# Altium PCB Lancelot.PcbDoc (part 9 of 14)
Units mil, origin at the board's own origin, x right, y up, seen from the top; angles counter-clockwise.
Board outline 4837.61 x 3252.61 mil, 6 copper layers (Top Layer, Mid-Layer 1, Mid-Layer 2, Mid-Layer 3, Mid-Layer 4, Bottom Layer); 372 components, 275 nets, 2062 pads, 1350 vias.
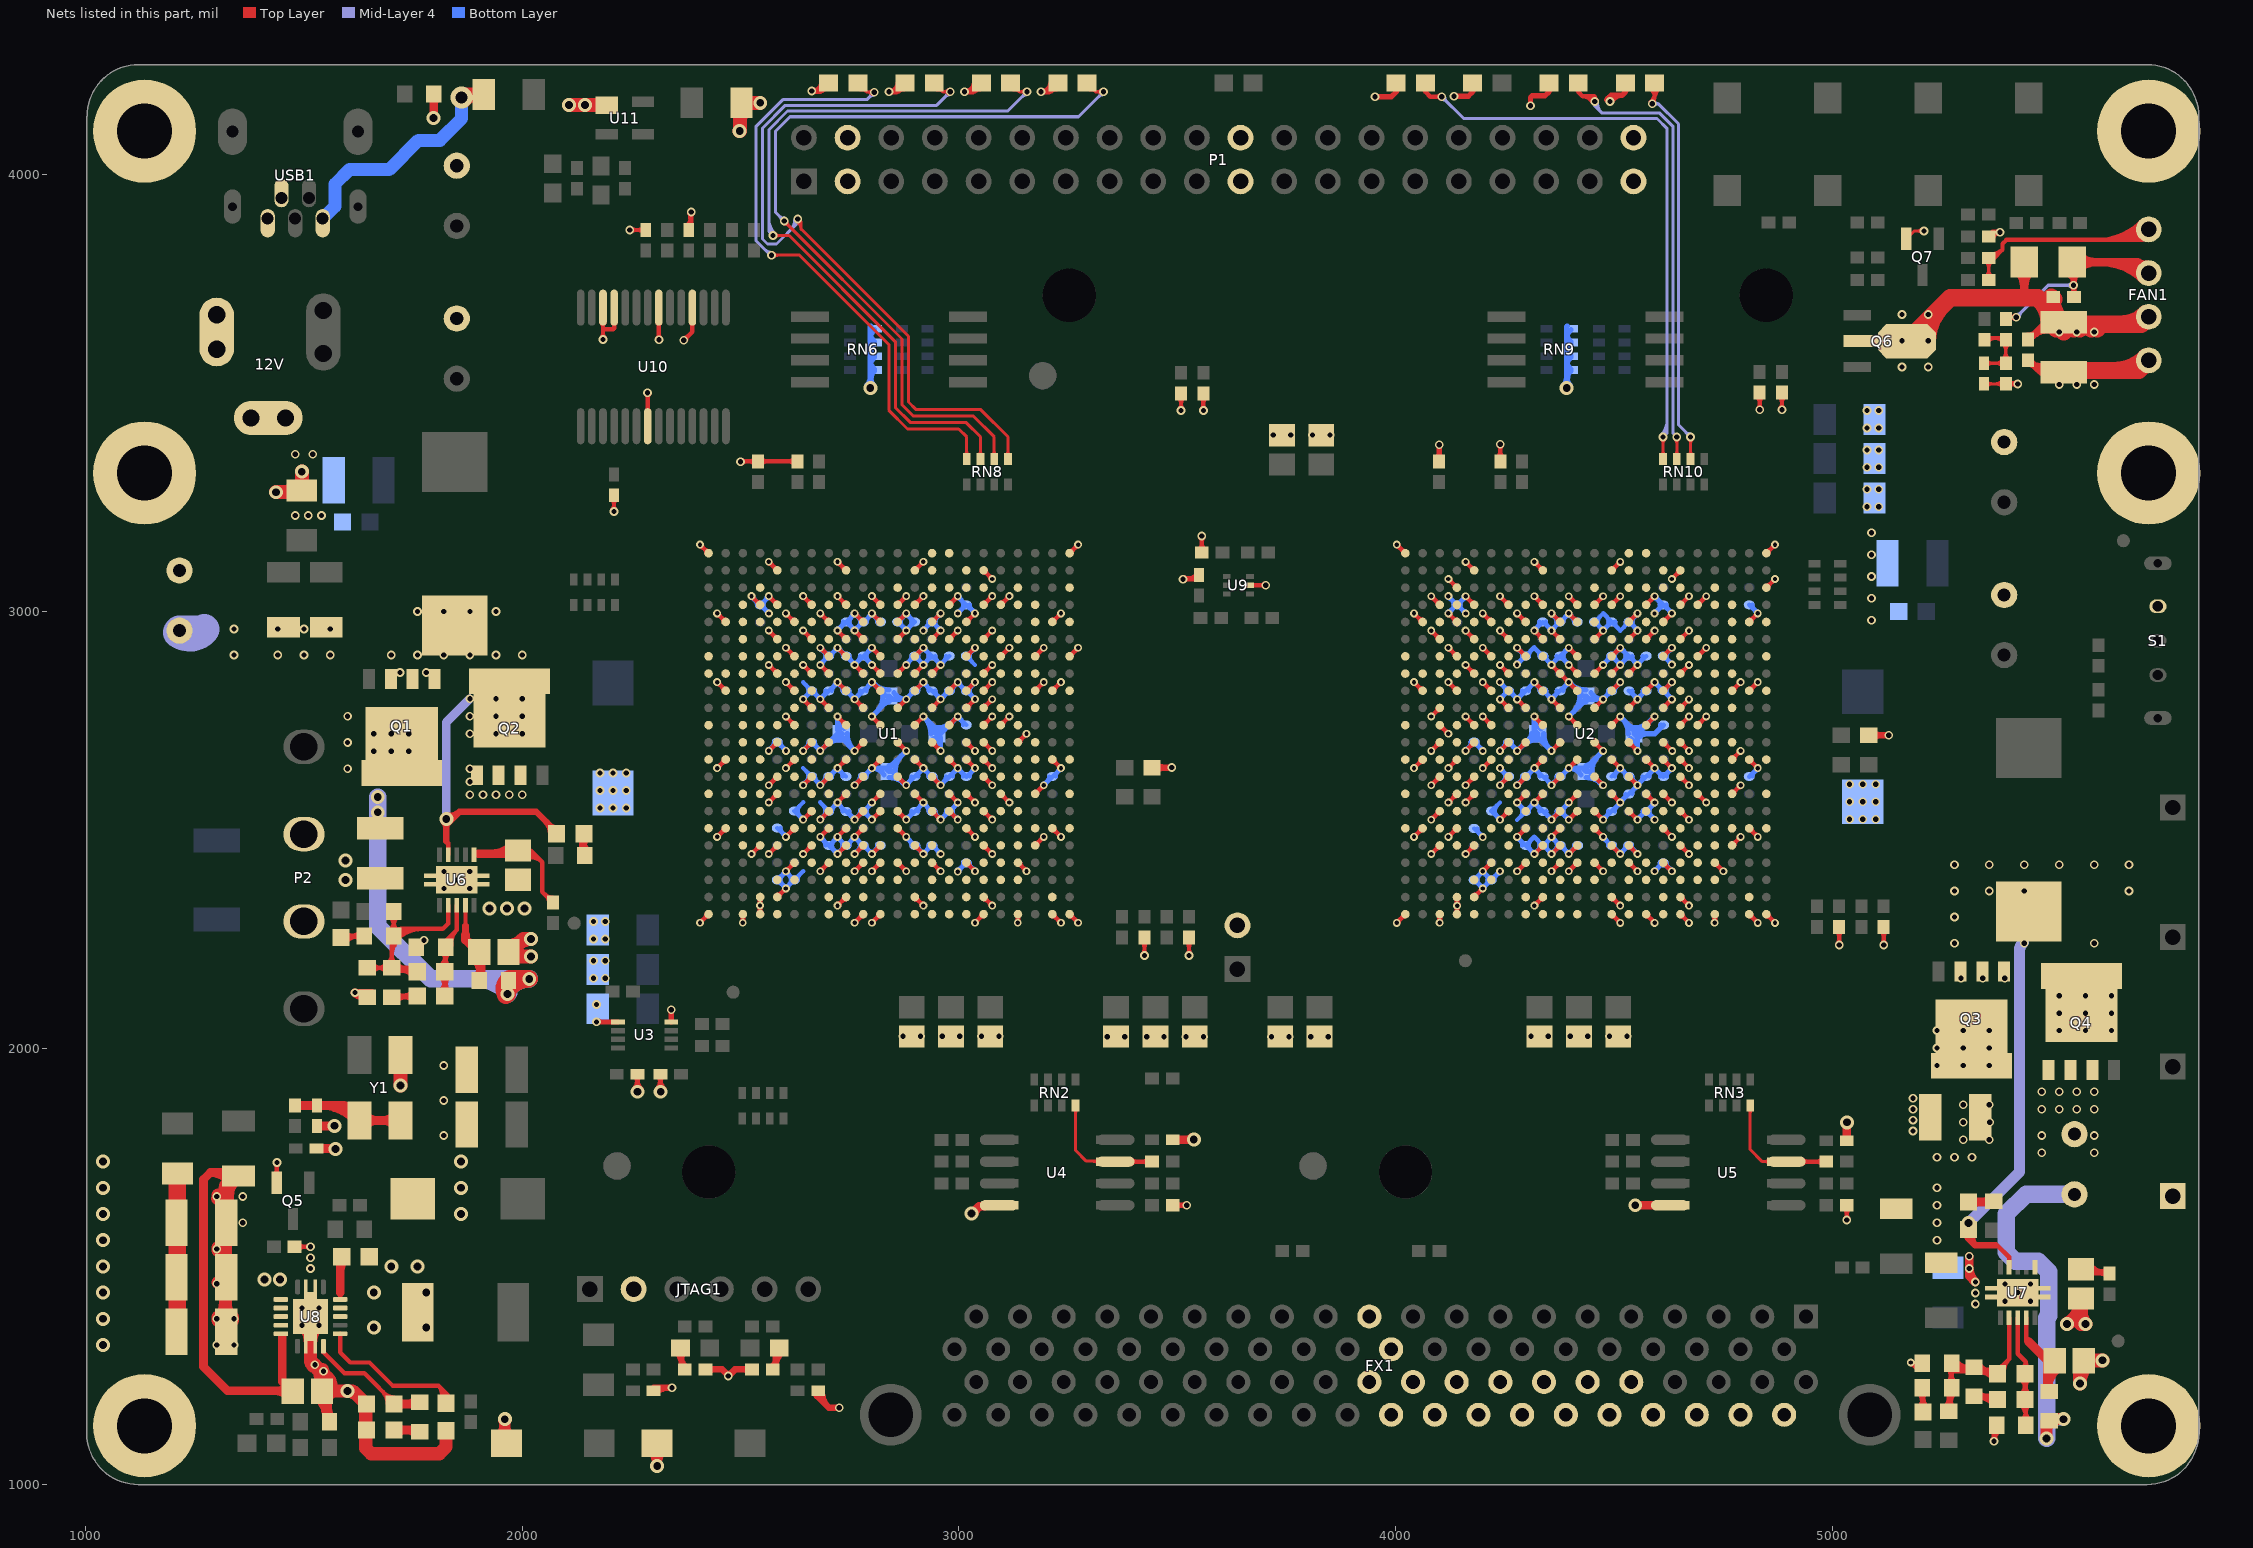
[diagram p13: the nets of this part, all layers, seen from the top]

## Via types
v1: diameter 18, hole 10, Top Layer to Bottom Layer, tented both sides, 625 vias
v2: diameter 20, hole 12, Top Layer to Bottom Layer, tented both sides, 515 vias
v3: diameter 32, hole 18, Top Layer to Bottom Layer, tented both sides, 191 vias
v4: diameter 23.62, hole 11.81, Top Layer to Bottom Layer, tented bottom, 10 vias
v5: diameter 19.68, hole 11.81, Top Layer to Bottom Layer, tented bottom, 4 vias
v6: diameter 118.11, hole 118.11, Top Layer to Bottom Layer, tented bottom, 2 vias
v7: diameter 78.74, hole 78.74, Top Layer to Bottom Layer, tented bottom, 2 vias
v8: diameter 50, hole 28, Top Layer to Bottom Layer, tented both sides, 1 vias

## Nets (pads, with @x,y where several pads share a name; then routed paths per layer and width w, separated by ;. In a path a pad name is that pad's centre, name@x,y a point inside that pad or via, vN(x,y) a via of type N, cw(c..) or ccw(c..) an arc to the next point about the centre after c; other vN are vias at no path point) (continued)
GND: (continued)
  Bottom Layer w10: 4546.81,2805.69 ccw(c4554.1,2812.99) 4554.1,2802.67 ccw(c4554.1,2812.33) 4560.93,2805.5 ccw(c4567.76,2798.67) v1@4558.1,2798.67 ; 4547.03,2609.24 cw(c4539.61,2601.82) 4550.1,2601.82 cw(c4540.45,2601.82) 4547.27,2594.99 cw(c4554.1,2588.16) v1@4554.1,2597.82 ; 4547.47,2805.03 cw(c4541.11,2798.67) v1@4550.1,2798.67 ; 4547.8,2963.2 cw(c4560.61,2976) 4542.5,2976 cw(c4561.61,2976) v1@4548.1,2989.52 ; 4547.87,2608.4 ccw(c4554.1,2614.64) 4554.1,2605.82 ccw(c4554.1,2615.47) 4560.93,2608.65 ccw(c4567.76,2601.82) v1@4558.1,2601.82 ; v1@4550.1,2444.34 ccw(c4540.45,2444.34) 4547.27,2451.17 ccw(c4554.1,2457.99) v1@4554.1,2448.34 ; v1@4550.1,2877.41 ccw(c4540.45,2877.41) 4547.27,2884.24 ccw(c4554.1,2891.07) 4554.1,2881.41 ccw(c4554.1,2891.07) 4560.93,2884.24 ccw(c4567.76,2877.41) v1@4558.1,2877.41 ; v1@4550.1,2995.52 cw(c4540.45,2995.52) 4547.27,2988.69 cw(c4554.1,2981.86) v1@4554.1,2991.52 ; v1@4553.07,2526.94 ccw(c4548.05,2545.66) C153.1@4564.84,2535.97 ; v1@4553.07,2605.68 ccw(c4548.34,2623.33) 4564.16,2614.19 ; v1@4553.07,2802.53 ccw(c4548.14,2820.91) C156.1@4564.62,2811.4 ; v1@4553.07,2881.27 ccw(c4548.43,2898.57) 4563.94,2889.62 ; v1(4554.1,2523.08) C153.1@4573.79,2542.76 ; v1@4554.1,2527.08 ccw(c4554.1,2536.73) 4560.93,2529.91 ccw(c4567.76,2523.08) v1@4558.1,2523.08 ; v1(4554.1,2798.67) C156.1@4573.88,2818.44 ; 4560.71,2884.01 ccw(c4546.72,2898) C145.1@4566.5,2898 ; 4561,2608.71 ccw(c4547.7,2622) C147.1@4566.5,2622 ; 4561.6,2806.16 ccw(c4549.76,2818) C156.1@4566.5,2818 ; 4561.89,2530.86 ccw(c4550.75,2542) C153.1@4566.5,2542 ; C153.1@4573.7,2542.85 C153.1@4573.79,2542.76 ; C153.1@4573.88,2542.85 C153.1@4573.79,2542.76 ; C145.1@4573.88,2897.18 v1(4554.1,2877.41) C144.1@4534.42,2897.1 ; C153.1@4574,2542 C153.1@4574.28,2542.28 ; C147.1@4581.5,2622 cw(c4598.92,2622) 4586.6,2634.32 ; C153.1@4583.29,2535.55 ccw(c4599.29,2544.79) v1@4594.51,2526.94 ; C147.1@4583.43,2628.82 cw(c4599.23,2619.7) v1@4594.51,2637.32 ; 4584.59,2550.98 cw(c4598.73,2542.81) v1@4594.51,2558.58 ; 4585.96,2553.96 ccw(c4577.46,2562.45) v1@4589.47,2562.45 ; 4586.41,2530.14 cw(c4598.28,2542) 4581.5,2542 cw(c4599.61,2542) 4586.8,2554.8 ; v1@4589.47,2523.08 ccw(c4579.82,2523.08) 4586.64,2529.91 ccw(c4593.47,2536.73) v1@4593.47,2527.08 ; v1@4589.47,2641.19 cw(c4579.82,2641.19) 4586.64,2634.36 cw(c4593.47,2627.53) 4593.47,2637.19 cw(c4593.47,2627.53) 4600.3,2634.36 cw(c4607.13,2641.19) v1@4597.47,2641.19 ; v1@4592.19,2999.09 ccw(c4587.44,3016.83) 4603.34,3007.65 ; v1@4592.44,2408.83 ccw(c4587.65,2426.7) C106.1@4603.67,2417.45 ; v1@4592.44,2637.32 cw(c4587.13,2617.53) C119.1@4604.88,2627.78 ; v1@4592.44,2834.18 cw(c4587.65,2816.32) C123.1@4603.66,2825.56 ; v1@4592.44,3031.03 cw(c4587.85,3013.89) 4603.21,3022.76 ; v1(4593.23,2995.23) C105.1@4613,3015 ; v1@4593.23,2999.23 ccw(c4593.23,3008.88) 4600.06,3002.06 ccw(c4606.88,2995.23) v1@4597.23,2995.23 ; v1@4593.39,2759.39 v1(4593.47,2759.3) ; v1(4593.47,2404.97) C106.1@4613.25,2424.74 ; v1@4593.47,2408.97 ccw(c4593.47,2418.62) 4600.3,2411.8 ccw(c4607.13,2404.97) v1@4597.47,2404.97 ; v1(4593.47,2523.08) C153.1@4574.28,2542.28 ; v1@4593.47,2834.04 cw(c4593.47,2824.38) 4600.3,2831.21 cw(c4607.13,2838.04) v1@4597.47,2838.04 ; v1(4593.47,2838.04) 4613.07,2818.44 C123.1@4613.16,2818.36 ; v1@4593.47,3030.89 cw(c4593.47,3021.23) 4600.3,3028.06 cw(c4607.13,3034.89) v1@4597.47,3034.89 ; v1(4593.47,3034.89) C105.1@4613.25,3015.12 ; v1@4593.77,2561.77 C153.1@4574.28,2542.28 ; 4599.94,3028.43 cw(c4586.51,3015) 4605.5,3015 cw(c4587.39,3015) 4600.2,3002.2 ; 4600.55,2412.04 ccw(c4588.59,2424) C106.1@4605.5,2424 ; 4600.54,2830.97 cw(c4588.57,2819) C123.1@4605.5,2819 ; 4602.14,2632.52 cw(c4591.62,2622) C119.1@4606.5,2622 ; 4604.95,2629.71 ccw(c4611.5,2636.27) C119.1@4611.5,2627 ; C106.1@4613,2424 v1@4632.77,2404.23 ; C101.1@4613,2898 C101.1@4613.53,2897.47 ; C119.1@4613.07,2621.42 C119.1@4613.16,2621.5 ; C123.1@4613.07,2818.27 C123.1@4613.16,2818.36 ; C101.1@4613.07,2897.01 C101.1@4613.53,2897.47 ; C105.1@4613.16,3015.2 v1@4632.93,2995.43 ; C119.1@4613.25,2621.42 C119.1@4613.16,2621.5 ; C106.1@4620.5,2424 ccw(c4638.61,2424) 4625.8,2411.2 ; C105.1@4620.5,3015 ccw(c4637.73,3015) 4625.55,3002.82 ; C119.1@4621.5,2622 cw(c4640.44,2622) v1@4627.05,2635.39 ; C106.1@4621.83,2418.08 ccw(c4639.01,2427.99) v1@4633.88,2408.83 ; C101.1@4622.1,2903.88 cw(c4638.9,2894.18) v1@4633.88,2912.92 ; C123.1@4622.24,2825.25 cw(c4638.84,2815.66) v1@4633.88,2834.18 ; C105.1@4622.48,3008.13 ccw(c4638.74,3017.52) v1@4633.88,2999.38 ; 4622.66,2890.65 ccw(c4638.56,2899.83) v1@4633.81,2882.09 ; 4622.93,2810.93 ccw(c4638.54,2819.95) v1@4633.88,2802.53 ; 4623.62,2629.45 cw(c4638.25,2621) v1@4633.88,2637.32 ; 4624.63,2412.37 ccw(c4632.84,2420.58) v1@4632.84,2408.97 ; 4625.05,2908.99 ccw(c4636.04,2898) 4620.5,2898 ccw(c4638.61,2898) 4625.8,2885.2 ; 4625.24,2830.43 ccw(c4636.67,2819) 4620.5,2819 ccw(c4639.78,2819) 4626.15,2805.37 ; v1@4628.77,2878.23 ccw(c4619.12,2878.23) 4625.94,2885.06 ccw(c4632.77,2891.88) v1@4632.77,2882.23 ; v1@4628.84,2641.19 cw(c4619.19,2641.19) 4626.02,2634.36 cw(c4632.84,2627.53) v1@4632.84,2637.19 ; v1@4628.84,2798.67 ccw(c4619.19,2798.67) 4626.02,2805.5 ccw(c4632.84,2812.33) v1@4632.84,2802.67 ; v1@4628.84,2838.04 cw(c4619.19,2838.04) 4626.02,2831.21 cw(c4632.84,2824.38) v1@4632.84,2834.04 ; v1@4628.84,2916.78 cw(c4619.19,2916.78) 4626.02,2909.95 cw(c4632.84,2903.12) v1@4632.84,2912.78 ; v1@4628.84,2995.52 ccw(c4619.19,2995.52) 4626.02,3002.35 ccw(c4632.84,3009.18) v1@4632.84,2999.52 ; v1(4632.77,2878.23) C101.1@4613.53,2897.47 ; v1(4632.84,2641.19) C119.1@4613.16,2621.5 ; v1(4632.84,2798.67) 4613.25,2818.27 C123.1@4613.16,2818.36 ; v1(4632.84,2838.04) C123.1@4613.16,2818.36 ; v1(4632.84,2916.78) C101.1@4613.53,2897.47 ; C104.1@4809.92,2621.42 v1(4829.69,2641.19) ; C118.1@4810,3015 v1@4829.77,2995.23 ; C104.1@4817.5,2622 cw(c4834.39,2622) 4822.45,2633.94 ; C118.1@4817.5,3015 ccw(c4835.61,3015) 4822.8,3002.2 ; C104.1@4819.37,2628.6 cw(c4835.57,2619.25) v1@4830.73,2637.32 ; C118.1@4819.41,3008.07 ccw(c4835.55,3017.38) v1@4830.73,2999.38 ; 4822.5,3002.5 ccw(c4829.69,3009.7) v1@4829.69,2999.52 ; 4823.02,3001.98 cw(c4816.56,2995.52) v1@4825.69,2995.52 ; v1@4825.69,2641.19 cw(c4816.04,2641.19) 4822.87,2634.36 cw(c4829.69,2627.53) v1@4829.69,2637.19 ; v1@2603.37,2404.63 2584.09,2385.35 2584.22,2385.22 v1@2603.78,2365.67 ; v1@2603.78,2365.67 v1(2603.78,2365.6) ; C53.1@2663,2818 v1@2682.5,2798.5 ; C81.1@2701.69,2897.69 C81.1@2702.2,2897.17 ; v1@2721.81,2483.69 C48.1@2741.5,2464 ; C48.1@2741.5,2464 2761.25,2483.75 C49.1@2780.93,2464.07 ; C37.1@2742,2976 v1@2761.62,2995.62 ; C37.1@2742,2976 v1@2761.52,2956.48 ; v1@2761.62,2995.62 C38.1@2781.25,2976 v1@2800.74,2995.49 ; C49.1@2780.93,2464.07 C49.1@2781,2464 ; C49.1@2780.94,2464.09 C49.1@2781,2464 ; v1@2997.57,2837.43 C41.1@3017,2818 C41.1@3017.3,2818.3 ; C124.1@4180.09,2385.28 v1(4199.77,2404.97) ; C124.1@4180.09,2385.28 4180.19,2385.19 v1@4199.69,2365.69 ; v1(4199.77,2404.97) 4219.37,2385.37 C107.1@4219.46,2385.28 ; 4317.92,2483.75 C114.1@4337.6,2464.06 ; C114.1@4337.6,2464.06 C114.1@4337.67,2464 v1@4357.29,2444.38 ; v1@4357.25,2956.15 C121.1@4376.94,2975.83 ; C121.1@4376.69,2976.09 C121.1@4376.94,2975.83 ; C143.1@4495.05,2897.1 v1(4514.73,2877.41) C144.1@4534.42,2897.1 ; v1@4554.28,2601.99 v1(4593.47,2641.19) C119.1@4613.16,2621.5 ; C153.1@4573.79,2542.76 C153.1@4574.28,2542.28
  Bottom Layer w12: v1(2682.52,2680.63) 2721.89,2720 C97.1@2730.5,2720 ; 2692.44,2690.55 cw(c2730.5,2652.48) C97.1@2730.5,2706.32 ; C97.1@2712.92,2711.03 cw(c2730.5,2693.45) C97.1@2730.5,2718.32 ; C97.1@2721.89,2738.18 ccw(c2741.41,2738.18) C97.1@2731.37,2721.45 ; C97.1@2732.19,2720 ccw(c2757.06,2720) C97.1@2739.47,2702.41 ; C97.1@2737.54,2731.74 cw(c2754.11,2759.37) v1(2721.89,2759.37) 2721.89,2728.62 C97.1@2730.5,2720 ; C97.1@2744.19,2720 ccw(c2798.03,2720) v1@2759.96,2681.93 ; v1(2761.26,2680.63) 2730.5,2711.38 C97.1@2730.5,2720 ; v3@2789.93,3519.07 ccw(c2774,3535) 2796.53,3535 ; v3@2796.53,3526.35 cw(c2831.01,3526.35) RN6.4@2806.63,3550.73 ; 2796.53,3537.28 ccw(c2822.28,3537.28) v3@2804.07,3519.07 ; RN6.4@2796.53,3550.19 ccw(c2802.04,3550.19) RN6.4@2798.14,3546.29 ; RN6.4@2796.53,3555.32 cw(c2802.04,3555.32) RN6.4@2798.14,3559.22 ; RN6.4@2796.53,3557.85 cw(c2831.01,3557.85) RN6.3@2806.63,3582.23 ; RN6.3@2796.53,3579.16 ccw(c2831.01,3579.16) RN6.4@2806.63,3554.78 ; RN6.3@2796.53,3581.69 ccw(c2802.04,3581.69) RN6.3@2798.14,3577.79 ; RN6.3@2796.53,3586.82 cw(c2802.04,3586.82) RN6.3@2798.14,3590.72 ; RN6.3@2796.53,3589.34 cw(c2831.01,3589.34) RN6.2@2806.63,3613.73 ; RN6.2@2796.53,3610.66 ccw(c2831.01,3610.66) RN6.3@2806.63,3586.27 ; RN6.2@2796.53,3613.18 ccw(c2802.04,3613.18) RN6.2@2798.14,3609.28 ; RN6.2@2796.53,3618.31 cw(c2802.04,3618.31) RN6.2@2798.14,3622.21 ; RN6.2@2796.53,3620.84 cw(c2831.01,3620.84) RN6.1@2806.63,3645.22 ; RN6.1@2796.53,3642.15 ccw(c2831.01,3642.15) RN6.2@2806.63,3617.77 ; RN6.1@2796.53,3647.24 2796.53,3512.47 v3(2797,3512) ; RN6.1@2796.53,3649.81 cw(c2802.04,3649.81) RN6.1@2798.14,3653.71 ; 2799.28,3536.61 ccw(c2816.69,3531.95) v3@2804.03,3519.12 ; v1(2800.63,2759.37) 2840,2798.74 C98.1@2840,2806.5 ; v1(2800.63,2838.11) 2832.24,2806.5 C98.1@2840,2806.5 ; v1@2803.38,2835.36 ccw(c2840,2871.97) C98.1@2840,2820.19 ; v1@2803.53,2838.89 ccw(c2813.85,2841.65) 2808.51,2832.4 ; 2811.15,2769.89 ccw(c2774.54,2806.5) 2826.32,2806.5 ccw(c2812.02,2806.5) C98.1@2822.13,2816.61 ; C100.1@2828.5,2626.08 ccw(c2800.63,2608.09) v1(2800.63,2641.26) 2832.24,2641.26 C100.1@2840,2633.5 ; C98.1@2829.89,2788.63 cw(c2840,2778.52) C98.1@2840,2792.82 ; C100.1@2840,2619.81 cw(c2840,2568.03) v1@2876.62,2604.64 ; C100.1@2840,2647.18 ccw(c2840,2661.48) C100.1@2850.11,2651.37 ; C98.1@2851.5,2813.92 ccw(c2879.37,2831.91) v1(2879.37,2798.74) 2847.76,2798.74 C98.1@2840,2806.5 ; C100.1@2857.87,2623.39 cw(c2867.98,2633.5) 2853.68,2633.5 cw(c2905.46,2633.5) 2868.85,2670.11 ; 2871.49,2607.6 cw(c2866.15,2598.35) v1@2876.47,2601.11 ; v1(2879.37,2601.89) 2847.76,2633.5 C100.1@2840,2633.5 ; v1(2879.37,2680.63) 2840,2641.26 C100.1@2840,2633.5 ; v1(2918.74,2759.37) 2949.5,2728.62 C99.1@2949.5,2720 ; v1@2920.04,2758.07 cw(c2881.97,2720) C99.1@2935.81,2720 ; C99.1@2940.53,2737.59 cw(c2922.94,2720) C99.1@2947.81,2720 ; C99.1@2942.23,2708.41 cw(c2924.23,2679.7) v1@2958.11,2679.7 ; C99.1@2948.6,2718.57 cw(c2937.83,2701.39) C99.1@2958.11,2701.39 ; C99.1@2949.5,2721.68 ccw(c2949.5,2746.55) C99.1@2967.08,2728.97 ; C99.1@2949.5,2733.68 ccw(c2949.5,2787.52) 2987.56,2749.45 ; v1(2958.11,2680.63) 2958.11,2711.38 C99.1@2949.5,2720 ; v1(2997.48,2759.37) 2958.11,2720 C99.1@2949.5,2720 ; v1(4278.51,2680.56) 4317.95,2720 C168.1@4325.5,2720 ; 4289.25,2691.3 cw(c4325.5,2655.05) 4325.5,2706.32 cw(c4325.5,2691.85) C168.1@4335.73,2702.08 ; C168.1@4307.48,2709.53 ccw(c4297.01,2720) C168.1@4311.82,2720 ; C168.1@4332.97,2731.47 cw(c4351.09,2759.3) v1(4317.88,2759.3) 4317.88,2727.62 C168.1@4325.5,2720 ; C168.1@4339.19,2720 ccw(c4390.8,2720) v1@4354.31,2683.5 ; 4351.4,2688.54 ccw(c4360.85,2694.01) v1@4358.03,2683.46 ; v1(4357.25,2680.56) 4325.5,2712.31 C168.1@4325.5,2720 ; v3@4384.93,3519.07 ccw(c4369,3535) 4391.53,3535 ; v3@4391.53,3526.35 cw(c4426.01,3526.35) RN9.4@4401.63,3550.73 ; 4391.53,3537.28 ccw(c4417.28,3537.28) v3@4399.07,3519.07 ; RN9.4@4391.53,3550.19 ccw(c4397.04,3550.19) RN9.4@4393.14,3546.29 ; RN9.4@4391.53,3555.32 cw(c4397.04,3555.32) RN9.4@4393.14,3559.22 ; RN9.4@4391.53,3557.85 cw(c4426.01,3557.85) RN9.3@4401.63,3582.23 ; RN9.3@4391.53,3579.16 ccw(c4426.01,3579.16) RN9.4@4401.63,3554.78 ; RN9.3@4391.53,3581.69 ccw(c4397.04,3581.69) RN9.3@4393.14,3577.79 ; RN9.3@4391.53,3586.82 cw(c4397.04,3586.82) RN9.3@4393.14,3590.72 ; RN9.3@4391.53,3589.34 cw(c4426.01,3589.34) RN9.2@4401.63,3613.73 ; RN9.2@4391.53,3610.66 ccw(c4426.01,3610.66) RN9.3@4401.63,3586.27 ; RN9.2@4391.53,3613.18 ccw(c4397.04,3613.18) RN9.2@4393.14,3609.28 ; RN9.2@4391.53,3618.31 cw(c4397.04,3618.31) RN9.2@4393.14,3622.21 ; RN9.2@4391.53,3620.84 cw(c4426.01,3620.84) RN9.1@4401.63,3645.22 ; RN9.1@4391.53,3642.15 ccw(c4426.01,3642.15) RN9.2@4401.63,3617.77 ; RN9.1@4391.53,3647.24 4391.53,3512.47 v3(4392,3512) ; RN9.1@4391.53,3649.81 cw(c4397.04,3649.81) RN9.1@4393.14,3653.71 ; 4394.28,3536.61 ccw(c4411.69,3531.95) v3@4399.03,3519.12 ; v1(4396.62,2759.3) 4436,2798.68 C169.1@4436,2806.5 ; v1(4396.62,2838.04) 4428.16,2806.5 C169.1@4436,2806.5 ; v1@4399.25,2835.41 ccw(c4436,2872.16) C169.1@4436,2820.19 ; v1@4399.52,2838.82 ccw(c4409.69,2841.54) 4404.42,2832.42 ; 4407.11,2769.78 ccw(c4370.39,2806.5) 4422.32,2806.5 ccw(c4408.21,2806.5) C169.1@4418.18,2816.48 ; C166.1@4424.52,2626.04 ccw(c4396.62,2607.92) v1(4396.62,2641.19) 4428.31,2641.19 C166.1@4436,2633.5 ; C169.1@4426,2788.68 cw(c4436,2778.67) C169.1@4436,2792.82 ; C166.1@4436,2619.81 cw(c4436,2568.22) v1@4472.48,2604.7 ; C166.1@4436,2647.18 ccw(c4436,2661.63) C166.1@4446.22,2651.41 ; C169.1@4447.52,2813.89 ccw(c4475.36,2831.74) v1(4475.36,2798.67) 4443.83,2798.67 C169.1@4436,2806.5 ; C166.1@4453.93,2623.25 cw(c4464.17,2633.5) 4449.68,2633.5 cw(c4501.31,2633.5) 4464.81,2670 ; 4467.41,2607.63 cw(c4461.99,2598.23) v1@4472.47,2601.04 ; v1(4475.36,2601.82) 4443.69,2633.5 C166.1@4436,2633.5 ; v1(4475.36,2680.56) 4436,2641.19 C166.1@4436,2633.5 ; v1@4513.96,2756.4 cw(c4511.09,2745.7) 4520.69,2751.24 ; v1(4514.73,2759.3) 4546.5,2727.54 C167.1@4546.5,2720 ; v1@4517.8,2756.23 cw(c4481.58,2720) C167.1@4532.81,2720 ; C167.1@4536,2738.03 ccw(c4546.5,2748.53) 4546.5,2733.68 ccw(c4546.5,2785.26) 4582.96,2748.79 ; C167.1@4538.81,2708.67 cw(c4519.26,2679.83) v1@4554.1,2679.83 ; v1(4554.1,2680.56) 4554.1,2712.39 C167.1@4546.5,2720 ; C167.1@4556.17,2710.32 cw(c4579.53,2686.96) 4579.53,2720 cw(c4579.53,2753.04) C167.1@4556.17,2729.68 ; C167.1@4560.18,2720 cw(c4574.69,2720) C167.1@4564.43,2730.26 ; 4593.47,2719.93 4593.4,2720 C167.1@4554.17,2720 ; v1(4593.47,2759.3) C167.1@4554.17,2720 ; 4594.23,2720.23 C113.1@4614,2740 ; 4602.9,2728.9 ccw(c4591.81,2740) C113.1@4607.5,2740 ; C167.1@4546.5,2720 C167.1@4554.17,2720
  other v1: 2505.01,2287.07 3134.93,2287.07 4730.92,2287 2544.38,2326.44
  other v2: 1545,1260 5328,1414 5328,1439 1515,1495 1515,1520 5480,1760 5600,1760 1820,1800 5480,1800 5600,1800 5185,1810 5185,1835 5185,1860 5480,1860 5520,1860 5560,1860 5600,1860 1820,1880 5185,1885 5480,1900 5520,1900 5560,1900 5600,1900 1820,1960 3340,2026 3380,2026 3430,2026 3470,2026 3520,2026 3560,2026 3716,2026 3756,2026 3806,2026 3846,2026 2872,2027 2912,2027 2962,2027 3002,2027 3052,2027 3092,2027 4310,2027 4350,2027 4400,2027 4440,2027 4490,2027 4530,2027 2170,2060 2170,2100 2163.07,2160 2190,2160 2163.07,2200 2190,2200 2163.07,2250 2190,2250 2163.07,2290 2190,2290 5040,2524 5070,2524 5100,2524 2178,2550 2208,2550 2238,2550 5040,2564 5070,2564 5100,2564 1880,2580 1910,2580 1940,2580 1970,2580 2000,2580 2178,2590 2208,2590 2238,2590 5040,2604 5070,2604 5100,2604 1880,2610 2178,2630 2208,2630 2238,2630 1880,2640 5090,2980 5090,3030 5090,3080 5090,3130 5090,3180 1480,3220 1510,3220 1540,3220 5080,3240 5106.93,3240 5080,3280 5106.93,3280 5080,3330 5106.93,3330 1480,3360 1520,3360 5080,3370 5106.93,3370 3720,3404 3760,3404 3810,3404 3850,3404 5080,3420 5106.93,3420 5080,3460 5106.93,3460 5520,3520 5560,3520 5600,3520 5425,3521
  other v3: 1040,1320 1040,1380 1040,1440 1410,1470 1445,1470 1040,1500 1040,1560 1040,1620 1860,1620 1040,1680 1860,1680 1040,1740 1860,1740 1925,2320 1965,2320 2005,2320 1595,2385 1595,2430
  other v4: 5395.47,1420.32 5454.53,1420.32 5425,1440 5395.47,1459.68 5454.53,1459.68 1820.47,2365.32 1879.53,2365.32 1850,2385 1820.47,2404.68 1879.53,2404.68
  other v5: 1495.32,1365.32 1534.68,1365.32 1495.32,1404.68 1534.68,1404.68
HOLD_A: R31.2 RN2.4 U4.7 | length 396
  Top Layer w7: RN2.4@3263.46,1859.76 cw(c3254.31,1850.62) 3267.24,1850.62 cw(c3280.18,1850.62) RN2.4@3271.03,1859.76 ; RN2.4@3267.24,1868.47 3267.24,1765.76 3292,1741 U4.7@3330.35,1741 ; 3304.88,1741 cw(c3304.88,1717.52) U4.7@3321.49,1734.12 ; 3305.96,1741 cw(c3305.96,1722.27) U4.7@3319.2,1735.52 ; 3309.71,1741 ccw(c3309.71,1757.65) U4.7@3321.49,1745.88 ; 3310.79,1741 ccw(c3310.79,1752.9) U4.7@3319.2,1744.48
  Top Layer w10: U4.7@3330.35,1741 U4.7@3331.35,1740 ; U4.7@3358.86,1740 R31.2@3442.38,1740 ; U4.7@3395.17,1735.18 cw(c3406.8,1723.56) 3406.8,1740 cw(c3406.8,1756.44) U4.7@3395.17,1744.82 ; R31.2@3434.2,1733.79 ccw(c3419.21,1718.8) 3419.21,1740 ccw(c3419.21,1761.2) R31.2@3434.2,1746.21
HOLD_B: R36.2 RN3.4 U5.7 | length 393.8
  Top Layer w7: RN3.4@4808.46,1859.76 cw(c4799.31,1850.62) 4812.24,1850.62 cw(c4825.18,1850.62) RN3.4@4816.03,1859.76 ; RN3.4@4812.24,1868.47 4812.24,1767.76 4840,1740 U5.7@4868.35,1740 ; U5.7@4856.2,1735.52 ccw(c4845.38,1724.69) 4845.38,1740 ccw(c4845.38,1755.31) U5.7@4856.2,1744.48 ; U5.7@4858.49,1734.12 ccw(c4844.3,1719.94) 4844.3,1740 ccw(c4844.3,1760.06) U5.7@4858.49,1745.88
  Top Layer w10: U5.7@4895.86,1740 R36.2@4986.38,1740 ; U5.7@4932.17,1735.18 cw(c4943.8,1723.56) 4943.8,1740 cw(c4943.8,1756.44) U5.7@4932.17,1744.82 ; R36.2@4978.2,1733.79 ccw(c4963.21,1718.8) 4963.21,1740 ccw(c4963.21,1761.2) R36.2@4978.2,1746.21
NetC2_2: C2.2 R1.1 Y1.1 Y1.4 | length 545.3
  Top Layer w20: R1.1@1480,1868.62 C2.2@1530,1868.62 1592.36,1868.62 ; C2.2@1539.33,1868.62 cw(c1539.33,1762.52) Y1.4@1614.36,1837.54 ; 1587.61,1868.62 cw(c1587.61,1810.8) Y1.4@1628.5,1851.69 ; Y1.4@1618.04,1865.2 cw(c1607.44,1883.7) 1592.36,1868.62 ; Y1.4@1639.19,1821.8 cw(c1669.16,1791.82) 1669.16,1834.21 cw(c1669.16,1876.6) Y1.4@1639.19,1846.63 ; Y1.1@1708.84,1821.8 ccw(c1678.87,1791.82) 1678.87,1834.21 ccw(c1678.87,1876.6) Y1.1@1708.84,1846.63 ; Y1.1@1721.26,1834.21 Y1.4@1626.77,1834.21 1592.36,1868.62
NetC10_1: C10.1 C11.2 FB1.1 FB2.1 Q1.5 R39.2 | length 1357.1
  Top Layer w40: v3@1962.13,2122.48 cw(c1998.16,2132) R39.2@1971.81,2158.35 ; v3@1962.43,2125.29 cw(c2016,2098.4) v3(2016,2158.35) R39.2@1971.81,2158.35 ; v3@1962.63,2121.34 cw(c1983.69,2134.85) R39.2@1966,2152.53 ; v3(1966,2123.5) R39.2@1966,2152.54 ; R39.2@1966,2152.54 R39.2@1968.46,2155 ; R39.2@1968.46,2155 ccw(c1989.47,2133.99) 1962.35,2121.87 cw(c1989.47,2133.99) R39.2@1968.46,2155 ; R39.2@1968.46,2155 R39.2@1971.81,2158.35
  Mid-Layer 4 w40: v3(1669,2575) 1669,2279.46 1790.11,2158.35 1966,2158.35 ; 1891.53,2158.35 cw(c1891.53,2049.03) v3@1968.83,2126.33 ; v3@1962.43,2125.29 cw(c2016,2098.4) v3(2016,2158.35) 1966,2158.35 ; v3(1966,2123.5) 1966,2158.35
  Mid-Layer 4 w70: C10.1@1211.99,2952.01 ccw(c1238.2,2986.8) 1269,2956 ; C10.1@1212.42,2951.72 ccw(c1237.55,2993.44) 1272,2959 1269,2956 ; C10.1@1215,2956 1269,2956
  other v2: 1600,2640 1660,2680 1700,2680 1740,2680 1600,2700 1660,2720 1700,2720 1740,2720 1600,2760 1340,2900 1440,2900 1500,2900 1560,2900 1340,2960 1440,2960 1500,2960 1560,2960
  other v3: 1669,2540
NetC12_1: C12.1 C18.1 R44.2 U6.3 | length 528.9
  Top Layer w10: C12.1@1812.11,2129.38 ccw(c1782.29,2159.21) C18.1@1824.46,2159.21 ; C18.1@1812.11,2164.62 cw(c1782.29,2134.79) C12.1@1824.46,2134.79 ; C18.1@1812.11,2185.38 ccw(c1782.29,2215.21) R44.2@1824.46,2215.21 ; R44.2@1815.47,2220.04 cw(c1793.76,2198.33) 1824.46,2198.33 cw(c1855.16,2198.33) R44.2@1833.46,2220.04 ; C12.1@1815.5,2131.91 ccw(c1809.66,2142.69) 1821.5,2145.86 ; R44.2@1820,2231 1820,2240.47 1850,2270.47 ; C12.1@1822.5,2119 1824.46,2120.97 R44.2@1824.46,2231 ; 1822.85,2140.83 ccw(c1837.34,2144.71) C12.1@1829.84,2131.72 ; 1824.46,2144.3 cw(c1853.2,2144.3) C18.1@1832.88,2164.62 ; 1824.46,2149.7 ccw(c1853.2,2149.7) C12.1@1832.88,2129.38 ; 1824.46,2205.7 ccw(c1853.2,2205.7) C18.1@1832.88,2185.38 ; R44.2@1827.17,2233.24 cw(c1854.65,2236.05) 1835.12,2255.59 ; R44.2@1837.12,2234.26 cw(c1881.66,2238.81) 1850,2270.47 ; U6.3@1850,2326.93 1850,2270.47
NetC12_2: C12.2 R41.2 | length 197.1
  Top Layer w10: R41.2@1701,2116.54 C12.2@1757.04,2116.54 ; R41.2@1711.5,2125.96 ccw(c1727.36,2143.49) 1733.48,2120.66 ; R41.2@1711.96,2107.54 cw(c1733.67,2085.84) 1733.67,2116.54 cw(c1733.67,2147.24) R41.2@1711.96,2125.53 ; R41.2@1713.98,2110.18 cw(c1728.99,2101.51) 1724.5,2118.25 ; R41.2@1718.1,2116.54 ccw(c1718.1,2160.4) C12.2@1749.12,2129.38 ; 1730,2116.54 cw(c1730,2089.5) C12.2@1749.12,2108.62